# KiCad board Marble.kicad_pcb (continued)
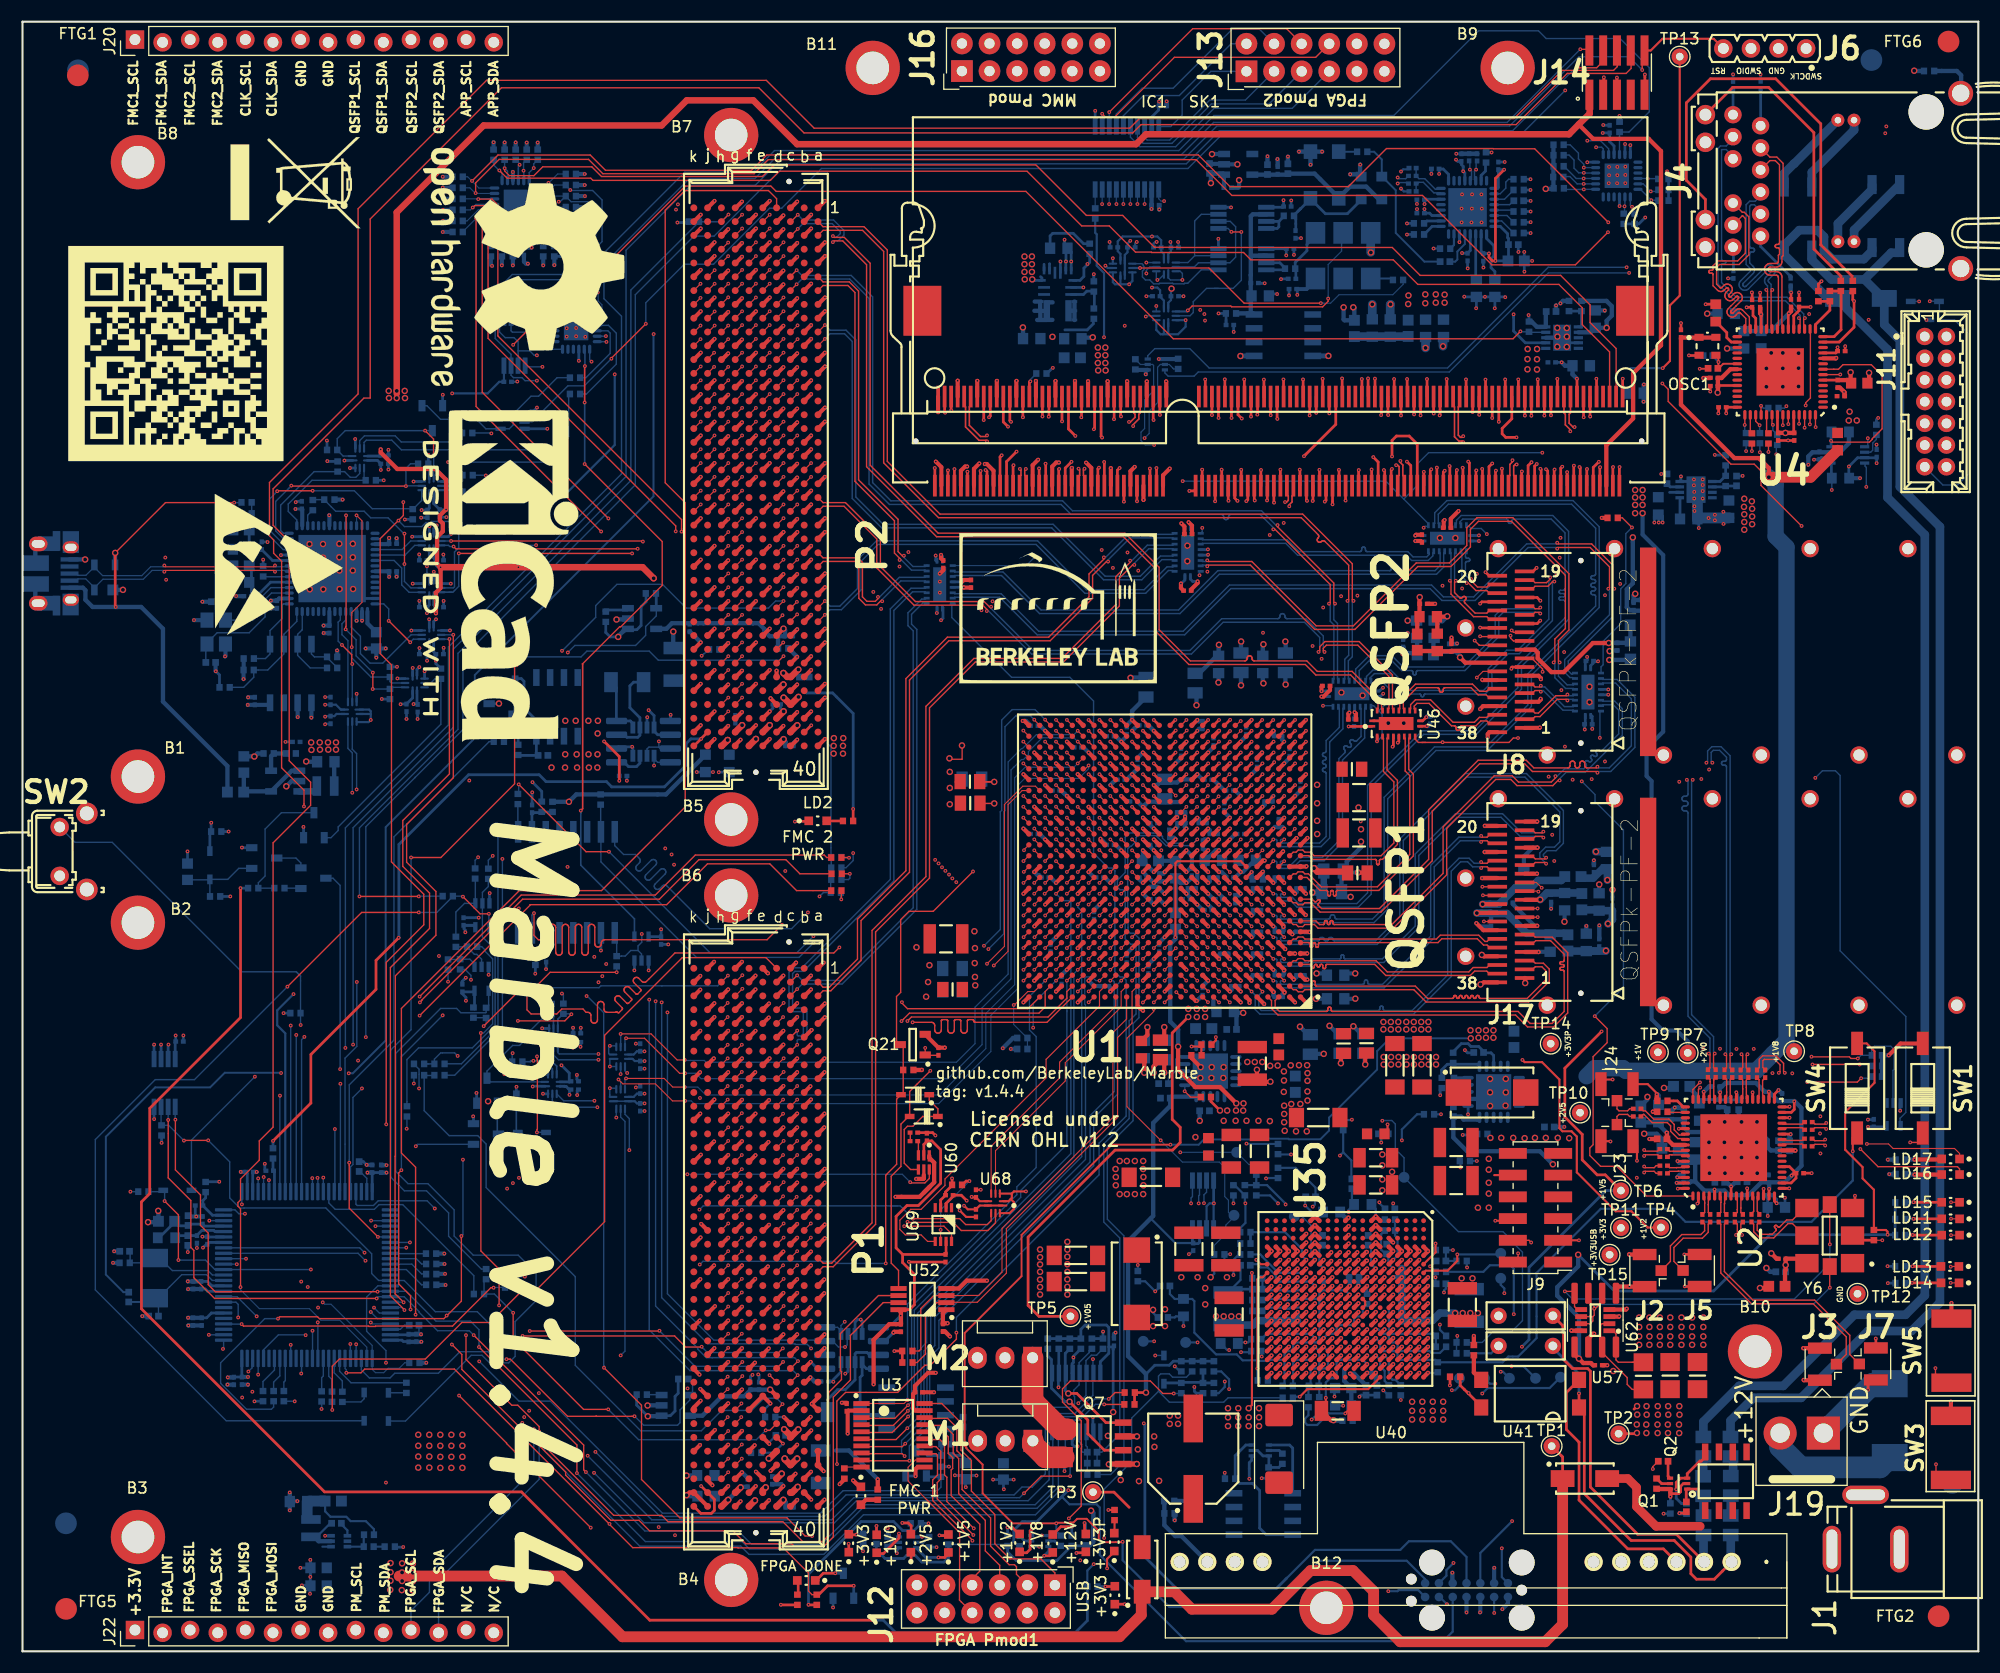
[diagram p0: board, top side]
## Routing (per net, layer and track width the routed paths; a pad name or vN(x,y) marks a point on that pad's centre or on a via; arc(x,y) is an arc through that point) (continued)
Net-(Q22-Pad3): length 13.5
  Bottom w0.254: Q4.4 114.46,10.73 113.86,11.34 113.86,14.8 113.21,15.45 112.01,15.45 111.61,15.85 R212.1 111.61,18.01 112.59,18.98 Q22.3
Net-(Q22-Pad5): length 1.4
  Bottom w0.254: Q22.5 115.66,18.48 R184.2
Net-(Q24-Pad1): length 21.1
  Bottom w0.127: U24.4 37.58,89.13 37.96,89.51 R273.2 38.5,85.33 29.05,75.89 29.05,75.56 28.39,74.89 Q24.1
Net-(Q24-Pad3): length 12.3
  Bottom w0.127: Q24.3 23.83,77.19 22.32,75.68 22.32,71.36 21.7,70.74 R271.1 R269.1
Net-(R4-Pad2): length 1.6
  Top w0.102: U3.10 75.76,16.96 R4.2
Net-(R5-Pad2): length 1.7
  Bottom w0.102: R5.2 98.72,132.82 U12.10
Net-(R6-Pad2): length 7.5
  Top w0.102: v1(84.5,38.79) U69.6
  Top w0.254: v1(87.15,43.28) 86.85,43.28 86.5,42.93 R6.2
  Bottom w0.102: v1(84.5,38.79) 84.5,40.63 v1(87.15,43.28)
Net-(R8-Pad2): length 5.9
  Top w0.4: U35.P15 v1(118.95,28.83)
  Bottom w0.2: R8.2 114.52,29.23 118.55,29.23 v1(118.95,28.83)
Net-(R21-Pad2): length 3.4
  Bottom w0.127: R21.2 22.13,24.83 23.19,25.89 23.19,26.96 U54.94
Net-(R26-Pad1): length 4
  Bottom w0.254: 98.62,123.48 98.65,123.51 98.65,125.2 97.95,125.2 97.65,124.89 U58.3
Net-(R30-Pad1): length 2.9
  Bottom w0.254: U31.1 143.49,121.91 143.48,121.92 R31.1 R30.1
Net-(R33-Pad1): length 1.9
  Top w0.254: U2.49 152.85,50.11 152.3,50.66 R33.1
Net-(R34-Pad1): length 1.7
  Top w0.127: U2.50 151.45,49.61 R34.1
Net-(R43-Pad1): length 2.4
  Bottom w0.102: R43.1 44.14,129.34 44.64,129.84 U5.23
Net-(R44-Pad1): length 2.2
  Bottom w0.102: U5.22 45.14,129.34 R44.1
Net-(R64-Pad1): length 18.4
  Top w0.127: v1(166.45,111.42) 166.57,111.3 169.98,111.3 170.25,111.57 170.25,111.63 171.15,112.53 171.15,117.43 170.15,118.43 167.55,118.43 167.13,118.01 166.71,118.01 166.71,118.01 U4.8
  Bottom w0.127: v1(166.45,111.42) 166.5,111.46 R64.1
  Bottom w0.254: 166.46,110.9 166.46,112.2 R64.1
Net-(R65-Pad2): length 3.9
  Top w0.254: 165.35,124.26 166.18,124.26 ; U4.15 165.02,122.12 166.34,123.45 R80.2
Net-(R66-Pad2): length 3.1
  Top w0.254: U4.30 157.27,120.51 156.85,120.93 156.85,121.38 R66.2 155.89,122.4
Net-(R68-Pad2): length 2.4
  Bottom w0.254: U47.5 156.23,107.68 R68.2 R69.2
Net-(R70-Pad1): length 2.6
  Bottom w0.2: U18.6 R70.1 31.41,10.71 R7.2
Net-(R70-Pad2): length 1
  Bottom w0.2: R70.2 R71.1
Net-(R72-Pad2): length 6.8
  Bottom w0.127: R72.2 51.85,117.23 54.08,119.46 54.08,121.35 53.88,121.55 U39.4
Net-(R73-Pad2): length 9.4
  Bottom w0.127: R73.2 51.9,115.73 54.65,118.48 54.65,121.33 53.93,122.05 U39.3
Net-(R74-Pad2): length 4.2
  In2.Cu w0.254: v1(133.04,49.42) 133.04,48.02 v1(132.55,47.53)
  Bottom w0.254: R74.2 133.79,47.53 v1(132.55,47.53) ; v1(133.04,49.42) 133.04,49.42 U36.11
Net-(R76-Pad2): length 2.3
  Top w0.127: v1(106.96,51.55) 107.49,51.02 R76.2
  Bottom w0.127: U37.11 106.97,51.56 v1(106.96,51.55)
Net-(R79-Pad1): length 1.5
  Bottom w0.2: R79.1 131.75,129.45 U20.23
Net-(R82-Pad1): length 1.7
  Bottom w0.178: R82.1 121.16,138.03 Y2.3
Net-(R83-Pad1): length 3
  Bottom w0.102: R83.1 49.15,131.92 48.37,132.69 U5.17
Net-(R89-Pad2): length 6.6
  Top w0.4: U35.N15 v1(119.75,28.83)
  Bottom w0.2: v1(119.75,28.83) 120.15,29.23 120.71,29.23 120.95,29.47 120.95,29.79 121.18,30.03 122.31,30.03 122.55,30.27 122.55,30.59 122.79,30.83 123.25,30.83 123.35,30.93 123.35,31.56 R89.2
Net-(R90-Pad2): length 8
  Top w0.4: U35.M16 v1(120.55,28.03)
  In2.Cu w0.2: v1(120.55,28.03) 120.15,27.63 114.55,27.63 v1(114.05,27.13)
  Bottom w0.2: v1(114.05,27.13) 114.05,27.6 R90.2 114.02,27.66
Net-(R91-Pad1): length 2.8
  Bottom w0.102: U5.16 48.94,133.19 49.18,132.95 49.18,132.93 R91.1
Net-(R92-Pad2): length 3.8
  Bottom w0.254: U16.4 116.08,127.16 R92.2 116.19,127.34 115.72,127.81 U16.3
Net-(R93-Pad2): length 3.6
  Bottom w0.254: 115.63,131.62 115.63,131.13 115.47,130.97 U19.4 ; 115.63,131.62 U19.3 ; 115.63,131.62 116.08,132.07 R93.2
Net-(R94-Pad2): length 1.8
  Bottom w0.254: 134.65,137.04 134.65,136.25 134.25,135.85 U20.7
Net-(R95-Pad2): length 5
  Top w0.4: U35.P17 v1(118.95,27.23)
  Bottom w0.2: v1(118.95,27.23) U35.P17 117.19,26.83 116.95,26.59 116.95,24.46 R95.2
Net-(R96-Pad2): length 1.9
  Bottom w0.254: R96.2 129.74,131.16 U20.25
Net-(R97-Pad2): length 1.7
  Bottom w0.254: U20.26 129.25,131.66 128.98,131.38 128.98,131.42 R97.2
Net-(R98-Pad2): length 1.8
  Bottom w0.127: R98.2 137.09,132.66 U20.13
Net-(R99-Pad2): length 2
  Bottom w0.127: U20.14 136.62,132.16 137.23,131.56 R99.2
Net-(R100-Pad2): length 2.3
  Bottom w0.127: U20.15 136.13,131.66 137.23,130.57 R100.2
Net-(R101-Pad2): length 2.7
  Bottom w0.127: U20.10 136,134.16 136.51,134.68 136.51,135.24 136.78,135.5 R101.2
Net-(R102-Pad2): length 2.1
  Bottom w0.127: U20.11 136.4,133.66 137.23,134.49 R102.2
Net-(R103-Pad1): length 2.1
  Bottom w0.178: R103.1 125.99,126.37 Y3.4
Net-(R105-Pad2): length 3
  Top w0.2: v1(130.05,37.53) 130.05,36.73 U35.A6
  Bottom w0.2: v1(130.05,37.53) 130.05,36.96 R105.2
Net-(R106-Pad2): length 10.5
  Top w0.2: v1(113.65,26.03) 113.65,34.23 113.85,34.43 114.15,34.43 U35.W7
  Bottom w0.2: v1(113.65,26.03) 113.65,24.96 R106.2
Net-(R112-Pad2): length 6.1
  Bottom w0.127: U23.11 23.98,101.41 21.09,104.3 R116.1 R112.2
Net-(R113-Pad2): length 3.9
  Bottom w0.127: R114.1 28.97,90.54 28.03,91.48 R113.2 26.86,91.53 26.59,91.81 U21.4
Net-(R114-Pad2): length 7.4
  Bottom w0.127: U23.55 25.75,94.03 25.74,94.03 25.32,93.61 U21.3 25.32,91.67 26.48,90.52 R114.2
Net-(R115-Pad2): length 11
  Bottom w0.127: R88.1 20.35,88.73 21.28,89.66 R115.2 22.57,90.33 24.05,91.81 24.05,93.61 25.25,94.81 U23.56
Net-(R117-Pad2): length 7.3
  Bottom w0.127: R117.2 22.35,91.38 22.78,91.81 U21.1 22.78,93.96 23.9,95.08 23.9,96.29 24.02,96.41 U23.1
Net-(R118-Pad2): length 2.8
  Bottom w0.4: R118.2 R119.1 22.88,82.4 U22.5
Net-(R120-Pad2): length 2.4
  Bottom w0.127: R120.2 22.17,98.91 U23.6
Net-(R121-Pad2): length 21.1
  Top w0.127: v1(29.74,94.07) 29.74,94.32 29.78,94.36 v1(29.78,104.56) ; v1(32.23,88.57) 32.24,88.59 v1(32.24,90.08)
  Bottom w0.127: U24.8 33.96,88.73 R121.2 33.8,88.57 v1(32.23,88.57) ; 32.22,90.11 v1(32.24,90.08) ; U23.24 29.78,103.64 v1(29.78,104.56) ; v1(29.74,94.07) 30.7,93.11 30.7,91.63 32.23,90.1
Net-(R122-Pad2): length 21.5
  Top w0.127: v1(26.71,106.82) 23.48,106.82 v1(23.44,106.78)
  Bottom w0.127: v1(23.44,106.78) 23.27,106.61 23.27,106.58 22.73,106.05 22.73,103.2 24.02,101.91 U23.12 ; v1(26.71,106.82) 30.54,106.82 32.19,105.17 35.98,105.17 36.74,105.94 U26.8
Net-(R123-Pad2): length 20.7
  Top w0.102: v1(30.74,104.56) 31.24,104.07 31.24,96.55 30.3,95.61 v1(30.3,92.43)
  Bottom w0.102: U23.26 30.75,104.56 v1(30.74,104.56)
  Bottom w0.127: R123.2 33.82,89.26 33.95,89.13 U24.9 ; 33.75,89.68 32.06,89.68 30.3,91.44 v1(30.3,92.43)
Net-(R124-Pad2): length 21.3
  Top w0.127: v1(24.74,107.29) 24.77,107.25 v1(35.29,107.25)
  Bottom w0.127: v1(24.74,107.29) 24.56,107.12 24.56,107.11 23.3,105.84 23.3,103.13 24.02,102.41 U23.13 ; R124.2 35.71,109.31 35.29,108.89 v1(35.29,107.25) 35.32,107.28 U26.9
Net-(R125-Pad2): length 12.6
  Bottom w0.127: U23.14 24.02,102.91 23.76,103.17 23.76,105.5 26.84,108.59 R125.2 29.64,108.59 30.16,108.07 30.68,108.07 31.04,108.42 U33.9
Net-(R126-Pad2): length 11.5
  Bottom w0.127: U23.15 25.25,104.14 24.46,104.92 24.46,105.6 26.64,107.79 R126.2 31.44,107.93 U33.8
Net-(R127-Pad1): length 16
  Top w0.127: v1(35.15,102.88) v1(35.15,100.08)
  Bottom w0.127: v1(35.15,102.88) 35.1,102.88 33.65,104.33 32.05,104.33 31.44,104.94 28.82,104.94 27.77,105.99 R127.1 26.76,106.01 R200.1 ; U15.9 35.75,97.88 35.15,98.48 v1(35.15,100.08)
Net-(R135-Pad2): length 3.2
  Bottom w0.127: R135.2 23.11,24.78 23.68,25.35 U54.93
Net-(R136-Pad2): length 3.1
  Bottom w0.127: U54.92 24.18,24.91 24.05,24.78 R136.2
Net-(R140-Pad1): length 18.7
  Top w0.4: U35.G16 v1(124.55,28.03)
  In2.Cu w0.2: 113.15,24.83 110.75,24.83 110.75,24.83 v1(110.65,24.83) ; 113.15,24.83 122.75,24.83 123.35,25.43 123.35,26.59 123.59,26.83 123.91,26.83 124.15,27.06 124.15,27.63 v1(124.55,28.03) ; 113.15,24.83 112.95,24.83
  Bottom w0.2: v1(110.65,24.83) 110.65,24.33 110.08,23.76 R140.1
Net-(R141-Pad1): length 22.7
  Top w0.4: U35.G13 v1(124.55,30.43)
  In2.Cu w0.2: v1(124.55,30.43) 124.15,30.03 124.15,28.67 123.91,28.43 123.58,28.43 123.35,28.19 123.35,27.87 123.11,27.63 122.65,27.63 122.55,27.53 122.55,27.07 122.31,26.83 121.99,26.83 121.75,26.59 121.75,26.27 121.51,26.03 121.19,26.03 120.95,25.79 120.95,25.47 120.71,25.23 108.75,25.23 v1(107.85,24.33)
  Bottom w0.254: R141.1 108.02,23.76 107.85,23.93 v1(107.85,24.33)
Net-(R143-Pad1): length 8.6
  Top w0.4: U35.G14 v1(124.55,29.63)
  Bottom w0.2: R143.1 130.45,27.46 129.68,27.46 129.51,27.63 126.79,27.63 126.55,27.87 126.55,28.23 126.35,28.43 125.99,28.43 125.75,28.67 125.75,28.99 125.51,29.23 125.19,29.23 124.79,29.63 v1(124.55,29.63)
Net-(R143-Pad2): length 8.8
  Top w0.4: U35.E11 v1(126.15,32.03)
  Bottom w0.2: v1(126.15,32.03) 125.75,31.63 125.75,29.47 125.99,29.23 129.88,29.23 R206.1 R143.2
Net-(R145-Pad1): length 3.8
  Top w0.4: U35.G17 v1(124.55,27.23)
  Bottom w0.2: v1(124.55,27.23) 124.95,26.83 124.95,26.23 124.95,26.23 125.37,25.81 125.37,24.88 R145.1
Net-(R145-Pad2): length 14.2
  Top w0.4: v1(123.76,34.45) 123.76,34.44 U35.H8
  In4.Cu w0.2: v1(125.24,24.02) 125.24,25.54 124.75,26.03 124.39,26.03 124.15,26.27 124.15,26.59 123.91,26.83 123.59,26.83 123.35,27.07 123.35,28.19 123.11,28.43 122.79,28.43 122.55,28.67 122.55,33.8 123.2,34.45 v1(123.76,34.45)
  Bottom w0.2: v1(125.24,24.02) 125.7,23.56 R145.2
Net-(R148-Pad1): length 4.1
  Top w0.4: U35.F17 v1(125.35,27.23)
  Bottom w0.2: R148.1 126.36,24.99 126.09,24.99 125.75,25.33 125.75,26.83 v1(125.35,27.23)
Net-(R148-Pad2): length 16.6
  Top w0.4: U35.M8 v1(120.55,34.43)
  In4.Cu w0.2: v1(120.55,34.43) 121.11,34.43 121.75,33.79 121.75,27.87 121.99,27.63 122.32,27.63 122.55,27.39 122.55,25.74 122.57,25.72 122.57,25.39 124.83,23.13 v1(126.85,23.13)
  Bottom w0.2: v1(126.85,23.13) R148.2
Net-(R150-Pad2): length 4.5
  Top w0.4: U35.E6 v1(126.15,36.03)
  Bottom w0.2: R155.2 R150.2 126.32,38.26 126.55,38.03 126.55,36.43 v1(126.15,36.03)
Net-(R151-Pad2): length 7.8
  Bottom w0.127: U54.82 29.18,25.77 30.24,24.72 R151.2
Net-(R152-Pad2): length 3.4
  Bottom w0.127: U54.83 28.68,25.63 29.44,24.88 R152.2
Net-(R153-Pad2): length 3.2
  Bottom w0.127: R153.2 28.48,25.01 28.18,25.31 U54.84
Net-(R154-Pad2): length 3.1
  Bottom w0.127: R154.2 27.53,25.19 27.68,25.34 27.68,26.63 27.68,26.63 U54.85
Net-(R161-Pad1): length 1.4
  Top w0.254: U1.M6 v1(113.12,71.73)
  Bottom w0.4: v1(113.12,71.73) 113.12,71.16 R161.1
Net-(R164-Pad2): length 11
  Top w0.4: U35.G11 v1(124.55,32.03)
  In4.Cu w0.2: v1(132.05,29.03) 132.05,29.13 129.55,31.63 124.95,31.63 v1(124.55,32.03)
  Bottom w0.127: R169.2 R164.2
  Bottom w0.2: v1(132.05,29.03) 132.05,28.5 R164.2
Net-(R168-Pad2): length 4.4
  Bottom w0.254: U36.16 133.9,54.03 131.13,54.03 130.6,53.51 130.6,52.87
Net-(R170-Pad2): length 9.8
  Top w0.4: U35.F10 v1(125.35,32.83)
  In4.Cu w0.2: v1(125.35,32.83) 125.75,33.23 130.45,33.23 132.55,35.33 v1(132.95,35.33)
  Bottom w0.2: R170.2 132.92,35.36 v1(132.95,35.33)
Net-(R171-Pad2): length 8.2
  Top w0.4: U35.R6 v1(118.15,36.03)
  Bottom w0.2: R180.2 116.2,38.58 117.75,37.03 117.75,36.43 v1(118.15,36.03)
  Bottom w0.254: R171.2 R180.2
Net-(R185-Pad2): length 10.9
  Top w0.4: U35.R8 v1(118.15,34.43)
  In2.Cu w0.2: v1(118.15,34.43) 117.75,34.03 112.75,34.03 111.15,35.63 v1(111.15,36.55)
  Bottom w0.2: R186.2 R185.2 111.13,36.53 v1(111.15,36.55)
Net-(R187-Pad2): length 12.7
  Top w0.4: U35.P8 v1(118.95,34.43)
  In2.Cu w0.2: v1(111.45,41.23) 111.45,39.77 115.59,35.63 115.91,35.63 116.15,35.39 116.15,35.07 116.39,34.83 118.55,34.83 v1(118.95,34.43)
  Bottom w0.2: R187.2 v1(111.45,41.23)
Net-(R190-Pad2): length 16.7
  Top w0.4: U35.L9 v1(121.35,33.63)
  In4.Cu w0.2: v1(121.35,33.63) 120.95,34.03 119.55,34.03 119.35,34.23 119.35,34.23 119.35,36.99 119.11,37.23 118.79,37.23 118.55,37.46 118.55,38.83 v1(116.25,41.13)
  Bottom w0.2: 114.54,42.91 114.55,42.9 ; 114.54,42.91 116.25,41.2 v1(116.25,41.13) ; 114.54,42.91 R192.2 ; R190.2 R191.2
Net-(R193-Pad2): length 9.4
  Top w0.4: U35.K10 v1(122.15,32.83)
  Bottom w0.2: v1(122.15,32.83) 121.75,33.23 119.59,33.23 119.35,32.99 119.35,32.67 119.12,32.43 117.19,32.43 117.09,32.33 116.29,32.33 116.19,32.43 114.65,32.43 114.65,32.43 114.22,32.43 R193.2
Net-(R194-Pad1): length 6.6
  Top w0.4: U35.R7 v1(118.15,35.23)
  Bottom w0.2: R194.1 113.92,36.53 114.12,36.33 114.12,36.3 115.59,34.83 117.75,34.83 v1(118.15,35.23)
Net-(R195-Pad2): length 2.4
  Top w0.2: v1(107.6,55.67) 108.32,55.67 R195.2 108.49,54.88 R196.1
  Bottom w0.102: 107.93,55.67 U37.16
  Bottom w0.2: v1(107.6,55.67) 107.93,55.67
Net-(R197-Pad2): length 7.6
  Bottom w0.4: U40.9 106.66,10.61 106.09,10.61 105.09,11.61 R198.1 105.09,13.81 R197.2
Net-(R200-Pad2): length 1.6
  Bottom w0.127: U23.17 26.25,104.58 26.7,105.03 R200.2
Net-(R207-Pad1): length 19.7
  Top w0.4: U35.J12 v1(122.95,31.23)
  In2.Cu w0.2: v1(122.95,31.23) 123.35,31.63 123.35,33.9 122.55,34.7 122.55,36.47 122.45,36.57 122.45,37.83 122.35,37.93 121.85,37.93 121.64,38.14 121.64,40.82 122.5,41.68 122.5,44.18 125.05,46.73 v1(125.05,46.83)
  Bottom w0.2: v1(125.05,46.83) 125.05,47.36 R207.1
Net-(R208-Pad1): length 19
  Top w0.4: U35.L12 v1(121.35,31.23)
  In2.Cu w0.2: v1(121.35,31.23) 121.75,31.63 121.75,34.03 120.95,34.83 120.95,35.67 120.85,35.77 120.85,39.53 120.1,40.28 120.1,43.18 117.55,45.73 v1(116.75,45.73)
  Bottom w0.2: v1(116.75,45.73) 115.58,45.73 R208.1
Net-(R210-Pad2): length 2.6
  Bottom w0.127: U30.1 45.59,75.46 R210.2
Net-(R211-Pad1): length 36.6
  Top w0.4: U35.F8 v1(125.35,34.43)
  In2.Cu w0.2: v1(111.05,27.73) 112.05,26.73 114.21,26.73 114.31,26.83 121.51,26.83 121.75,27.07 121.75,28.19 122.79,29.23 123.11,29.23 123.35,29.47 123.35,29.79 124.39,30.83 124.71,30.83 124.95,31.07 124.95,34.03 v1(125.35,34.43) 125.35,34.67 125.75,35.07 125.75,35.39 125.99,35.63 127.11,35.63 127.35,35.87 127.35,36.99 128.19,37.83 128.65,37.83 131.55,40.73 131.55,43.73 v1(132.35,44.53)
  Bottom w0.2: R211.1 132.35,45.06 v1(132.35,44.53) ; R217.1 110.88,27.73 v1(111.05,27.73)
Net-(R218-Pad1): length 16.6
  Top w0.4: U35.P10 v1(118.95,32.83)
  In4.Cu w0.2: v1(118.95,32.83) 118.55,32.43 116.71,32.43 116.61,32.33 116.15,32.33 116.05,32.43 114.35,32.43 111.55,29.63 107.15,29.63 v1(106.85,29.93)
  Bottom w0.2: R218.1 106.05,30.73 106.15,30.83 R219.1 v1(106.85,29.93)
Net-(R259-Pad2): length 2.3
  Bottom w0.254: 55.73,95.94 55.65,95.85 53.6,95.85 53.51,95.76
Net-(R261-Pad2): length 1.4
  Bottom w0.127: R261.2 58.78,23.63 U43.3
Net-(R262-Pad2): length 2.4
  Bottom w0.127: R262.2 170.62,111.55 170.28,111.21 170.28,110.56 170.09,110.37 U6.6
Net-(R263-Pad2): length 260.9
  Top w0.127: v1(176.11,17.21) 176.11,15.77 SW3.2
  In2.Cu w0.127: v1(176.11,17.21) 174.01,19.31 174.01,21.3 170.91,24.41 170.03,24.41 170.01,24.42 147.12,24.42 142.37,29.17 138.54,29.17 137.64,28.27 137.64,23.79 137.65,23.78 133.22,19.35 119.93,19.35 118.22,17.63 111.24,17.63 106.69,13.08 104.75,13.08 99.22,7.56 79.98,7.56 74.35,1.93 55.95,1.93 52.45,5.43 42.25,5.43 32.65,15.03 28.65,15.03 22.04,21.64 22.04,25.31 22.05,25.32 22.05,25.62 22.04,25.62 22.04,25.97 17.19,30.83 v1(17.19,39.64) 17.19,43.78 25.6,52.19 v1(25.6,57.65)
  Bottom w0.127: 25.19,62.55 25.51,62.23 ; 25.19,62.55 25.59,62.16 ; 25.19,62.55 20.16,62.55 8.25,74.46 4.83,74.46 SW2.2 ; 25.51,62.23 25.59,62.16 ; 25.51,62.23 25.55,62.2 ; 25.59,62.16 R263.2 25.59,57.66 v1(25.6,57.65) ; v1(17.19,39.64) 18.51,39.64 U54.23
Net-(R274-Pad2): length 4.3
  Bottom w0.102: U5.18 48.21,132.19 49.5,130.9 R42.1
  Bottom w0.127: R42.1 R274.2
Net-(R281-Pad1): length 2.5
  Top w0.4: U41.3 133.58,25.66 R281.1
Net-(R283-Pad2): length 41.5
  Top w0.127: U1.T5 v1(114.1,75.71)
  Top w0.13: v1(76.07,73.04) 76.04,73.07 R286.1
  In2.Cu w0.127: v1(114.1,75.71) 113.72,75.33 105.51,75.33 104.27,74.1 100.98,74.1 100.76,73.88 100.76,73.73 100.37,73.34 85.36,73.34 84.9,72.88 84.03,72.88 v1(84,72.85)
  In4.Cu w0.127: v1(84,72.85) 77.03,72.85 76.84,73.04 v1(76.07,73.04)
  Bottom w0.13: v1(76.07,73.04) 75.4,73.04 R283.2
Net-(R284-Pad1): length 48.7
  Top w0.127: 116.62,75.23 v1(117.09,75.71) ; v1(76.15,71.57) R287.1
  In2.Cu w0.127: v1(84.31,72.53) 85.25,72.53 85.65,72.93 91.65,72.93 91.83,73.11 95.29,73.11 95.47,72.92 100.62,72.92 101.03,73.32 104.4,73.32 v1(104.81,73.74)
  In4.Cu w0.127: v1(76.15,71.57) 83.35,71.57 v1(84.31,72.53)
  GND5.Cu w0.127: 76.15,71.56 v1(76.15,71.57)
  In9.Cu w0.127: 106.22,77.39 105.55,77.39 104.81,76.65 v1(104.81,73.74) ; 106.22,77.39 106.14,77.39 ; 106.22,77.39 111.28,77.39 111.3,77.41 111.94,77.41 112.96,76.39 116.17,76.39 116.85,75.71 v1(117.09,75.71)
  Bottom w0.13: R284.1 76.02,71.03 76.15,71.16 v1(76.15,71.57)
Net-(R285-Pad1): length 43.2
  Top w0.102: U1.P5 v1(114.12,73.73)
  Top w0.13: R288.1 75.37,69.23 v1(75.35,69.21)
  In2.Cu w0.127: v1(114.12,73.73) 113.08,72.69 110.56,72.69 109.7,71.83 109.7,71.68 109.37,71.35 101.2,71.35 100.93,71.08 100.28,71.08 100.25,71.11 87.17,71.11 86.78,71.5 85.27,71.5 v1(85.27,71.5)
  In4.Cu w0.127: v1(75.35,69.21) 75.81,69.66 83.44,69.66 v1(85.27,71.5)
  Bottom w0.13: v1(75.35,69.21) 75.32,69.24 R285.1
Net-(R291-Pad1): length 1.7
  Top w0.13: v1(158.51,112.89) 158.52,112.9 U4.43
  Bottom w0.13: R291.1 158.51,112.26 v1(158.51,112.89)
Net-(R292-Pad1): length 1.6
  Top w0.127: v1(160,114.64) 160,113.83 U4.46
  Bottom w0.127: v1(160,114.64) 160.21,114.44 R292.1
Net-(R293-Pad1): length 1.8
  Top w0.127: R293.1 159.02,112.26 U4.44
Net-(R294-Pad1): length 1.8
  Top w0.127: v1(159.88,112.86) 159.52,113.22 U4.45
  Bottom w0.127: v1(159.88,112.86) 159.88,112.16 R294.1
Net-(R295-Pad1): length 1.8
  Top w0.127: U4.47 160.52,112.28 R295.1
Net-(R296-Pad1): length 2
  Top w0.127: v1(161.1,112.89) 161.02,112.97 U4.48
  Bottom w0.127: v1(161.1,112.89) 161.1,112.39 R296.1
Net-(R309-Pad1): length 18.7
  Top w0.4: U35.F18 v1(125.35,26.43)
  In2.Cu w0.2: v1(125.35,26.43) 124.95,26.03 124.95,25.47 123.61,24.13 v1(111.05,24.13)
  Bottom w0.2: R309.1 110.32,25.76 111.05,25.03 v1(111.05,24.13)
Net-(SW5-Pad2): length 188.4
  Top w0.127: v1(176.06,26.06) 176.06,24.73 SW5.2 ; U60.6 83.45,43.52 83.05,43.11 81.77,43.11 v1(81.7,43.18)
  In2.Cu w0.112: v1(61.19,43.91) 60.05,42.77 60.05,33.33
  In2.Cu w0.127: v1(60.05,10.68) 60.05,33.33
  In4.Cu w0.127: v1(176.06,26.06) 170.84,31.28 148.62,31.28 147.86,30.52 147.86,30.02 127.23,9.39 93.83,9.39 93.68,9.23 93.11,9.23 93.05,9.3 84.4,9.3 84.21,9.11 81,9.11 80.55,9.56 61.18,9.56 v1(60.05,10.68)
  Bottom w0.112: v1(81.7,43.18) 80.97,43.91 v1(61.19,43.91)
Net-(TP16-Pad1): length 8.2
  Top w0.2: U35.A7 129.15,35.03 131.15,35.03 132.05,35.93 v1(132.05,36.53)
  Bottom w0.2: TP16.1 135.95,36.53 v1(132.05,36.53)
Net-(TP17-Pad1): length 14.9